# Altium PCB MB1404.PcbDoc (part 7 of 7)
Units mm, origin at the board's own origin, x right, y up, seen from the top; angles counter-clockwise.
Board outline 70 x 133.34 mm, 6 copper layers (Top Layer, Signal Layer 1, Signal Layer 2, Signal Layer 3, Signal Layer 4, Bottom Layer), stack 1.57 mm thick; 345 components, 311 nets, 1508 pads, 1746 vias.
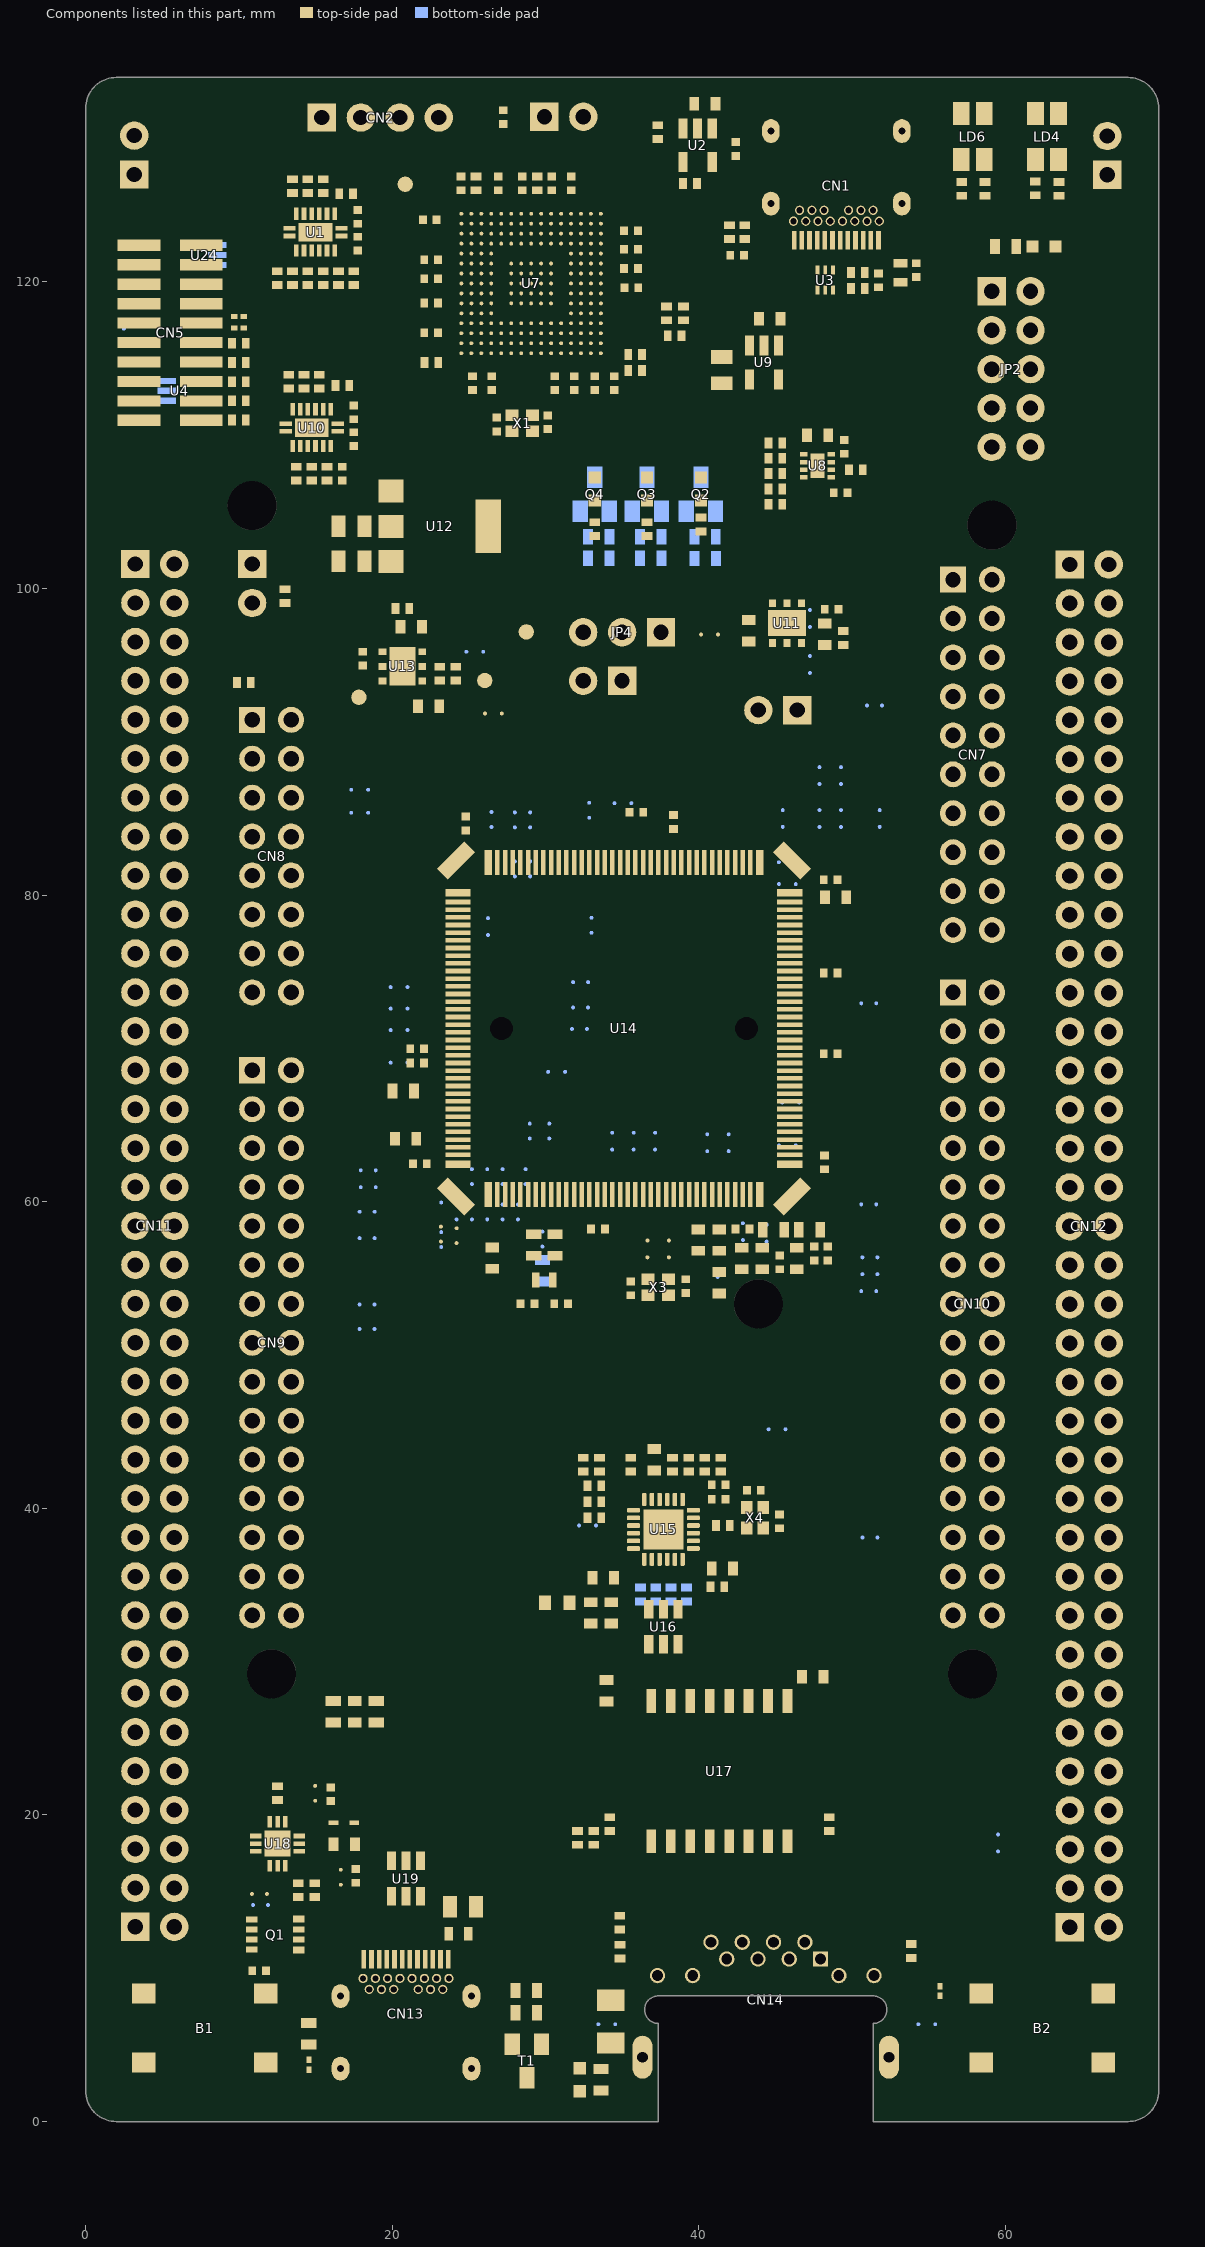
[diagram p11: the components of this part, seen from the top]

## Polygon pours and split planes (outlines as drawn)
GND on Bottom Layer "GND_L06_P160" (solid, remove dead copper, pour order 160): 22.6,80.45 15.35,87.7 15.35,98.85 15.35,100.85 20.266,105.766 20.266,108.279 20.266,133.254 68.666,133.254 69.916,132.004 69.916,1.479 68.491,0.054 56.4,0.054 56.4,20.3 33.316,20.3 33.316,35.179 30.766,37.729 30.766,39.129 31.191,39.554 32.991,39.554 33.791,40.354 33.791,43.829 33.241,44.379 29.691,44.379 29.266,44.804 29.266,52.629 29.691,53.054 29.691,71.259 22.6,78.35
5V_STLK on Bottom Layer "VDDIO1_4_L01_P-001" (solid, pour order 36): 46.1,109 48.2,109 49.1,109.9 49.1,111.7 50.7,113.3 55.2,113.3 60.4,118.5 60.4,120.8 56.2,120.8 52.6,117.2 47.4,117.2 45.8,115.6 45.8,109.3 45.8,115.6 45.8,109.3
5V_STLK on Bottom Layer "VDDIO1_4_L01_P-001" (solid, pour order 112): 41.25,132.5 57.25,132.5 60.75,129 60.75,118 60.5,117.75 56.75,117.75 55.25,119.25 55.25,125.75 54.75,126.25 48.25,126.25 47.25,127.25 42.5,127.25 41.25,128.5
GND on Bottom Layer "GND_L06_P159" (solid, remove dead copper, pour order 159): 16.922,86.778 24.966,78.734 27.213,78.734 27.213,75.396 30.612,71.996 30.613,44.212 27.563,41.163 27.563,32.488 28.163,31.888 29.313,30.738 29.313,9.663 29.863,9.113 33.672,9.113 33.672,0.413 1.588,0.413 0.413,1.588 0.413,131.987 1.988,133.563 20.737,133.563 20.788,133.512 20.788,107.795 20.312,107.32 20.313,105.345 19.171,104.204 19.172,102.204 18.846,101.879 16.546,101.879 16.096,101.429 16.096,99.729 16.922,98.904
VDD on Bottom Layer "VDDIO1_4_L01_P-001" (solid, pour order 116): 18,88.7 17.9,88.6 17.9,87.7 18,87.6 18.3,87.6 18.4,87.5 18.4,86.4 19.1,86.4 19.4,86.7 19.4,88.4 19.1,88.7
VDD on Bottom Layer "VDD_L06_P126" (solid, remove dead copper, pour order 126): 33.041,20.975 32.4,20.334 32.4,9.525 32.075,9.2 29.7,9.2 29.241,9.659 29.241,21.046 29.241,30.779 27.541,32.479 27.541,40.604 30.991,44.054 33.041,44.054 33.366,43.729 33.366,40.454 32.791,39.879 30.991,39.879 30.341,39.229 30.341,37.643 33.041,34.943
SHGND on Bottom Layer "SHGND_L06_P161" (solid, remove dead copper, pour order 161): 35.641,17.325 53.369,17.325 53.369,0 35.741,0 35.641,0.004
VDD_MCU on Signal Layer 3 "VDD_MCU_L04_P030" (solid, remove dead copper, pour order 30): 47.7,47.375 47.7,51.8 48.694,52.794 48.694,55.094 49.31,55.71 49.31,56.396 49.67,56.756 49.67,73.809 48.675,74.804 48.675,80.3 49.425,81.05 49.4,81.075 49.4,82.175 47.7,83.875 47.7,94.075 46.396,95.379 21.866,95.379 21.866,48.334 23.525,46.675 47,46.675
VDD on Signal Layer 3 "VDD_L04_P136" (solid, remove dead copper, pour order 136): 20.925,79.75 21.45,79.225 21.45,48.075 23.325,46.2 41.8,46.2 42.15,45.85 42.15,41.1 41.8,40.75 33.55,40.75 32.15,39.35 21.975,39.35 15.625,45.7 15.625,51.375 18.15,53.9 18.15,78.725 19.175,79.75
3V3 on Signal Layer 3 "3V3_L04_P143" (solid, remove dead copper, pour order 143): 13.5,20.075 18.425,20.075 19.025,19.475 19.025,17.184 25.3,10.909 25.3,9.55 28.625,6.225 28.625,3.25 29.55,2.325 34.575,2.325 35,2.75 35,15.75 32.525,18.225 32.525,22.825 30.475,24.875 30.475,38.1 29.75,38.825 21.75,38.825 15.225,45.35 15.225,51.725 17.55,54.05 17.55,78.575 19.025,80.05 20.975,80.05 21.5,80.575 21.5,95.375 22,95.875 40.425,95.875 40.425,98.775 37.275,101.925 32.375,101.925 30.275,99.825 19.325,99.825 18.8,99.3 18.8,87.325 17.8,86.325 14.525,86.325 13.225,85.025 13.225,78.814 8.45,74.039 8.45,33.275 9.275,32.45 14.95,32.45 16.025,31.375 16.025,22.85 15.6,22.5 13.5,22.5
GND on Signal Layer 3 "GND_L04_P128" (solid, remove dead copper, pour order 128): 44,95.5 41.25,95.5 40.75,96 40.75,98.75 37.5,102 32,102 30.25,100.25 19.25,100.25 18.75,100.75 18.75,107.75 19.804,108.804 38.804,108.804 41,111 41,113.75 41.25,114 41.498,114 47.257,108.25 59.5,108.25 64.091,112.841 64.091,124.654 64.091,129.929 62.816,131.204 35.391,131.204 34.091,132.504 34.091,133.054 34.191,133.154 68.691,133.154 69.966,131.879 69.966,1.654 68.416,0.104 52.666,0.104 52.541,0.229 52.541,15.175 52.5,16.025 50.25,18.275 50.25,35.9 48.85,37.3 32.925,37.3 32.4,37.825 32.4,39.075 33.75,40.425 41.975,40.425 42.5,40.95 42.5,45.825 42.975,46.3 47.1,46.3 48.7,47.9 48.7,51.45 49.442,52.192 49.442,54.567 49.85,54.975 49.85,55.825 50.65,56.625 50.65,71.725 49.1,73.275 49.1,80.11 49.875,80.885 49.875,82.25 48.025,84.1 48.025,93.75 48,94.25 46.75,95.5
3V3_STLK on Signal Layer 3 "3V3_STLK_L04_P044" (solid, remove dead copper, pour order 44): 35.045,131 37,131 37.75,130.25 37.75,123.47 40.75,120.47 40.75,111.25 38.704,109.204 19.796,109.204 16.4,112.6 16.4,115.55 16.4,124.6 14.6,126.4 14.6,131.488 15.291,132.179 33.866,132.179
5V_UCPD on Signal Layer 3 "5V_UCPD" (solid, pour order 12): 55.5,103.25 55.5,107 56,107.5 58.25,107.5 59.75,107.5 60.475,108.225 60.475,109.775 59.75,110.5 55,110.5 53,108.5 53,97.75 51,95.75 49.5,95.75 48.075,94.325 48.075,82.925 49.05,81.95 49.05,75.3 51,73.35 51,57.25 49.525,55.775 49.525,33.5 49.925,33.075 51.425,33.075 51.7,33.35 51.7,39.15 53.75,41.2 53.75,74.15 52.5,75.4 52.5,85.5 51.425,86.575 51.425,91.65 55.475,95.7 55.475,103.225
NetC91_2 on Signal Layer 3 "NETC91_2_L04_P066" (solid, remove dead copper, pour order 66): 33.941,23.129 33.091,22.279 33.091,18.278 33.969,17.4 49.241,17.4 49.241,22.479 48.591,23.129
5V_EXT on Signal Layer 3 "5V_EXT_L04_P132" (solid, remove dead copper, pour order 132): 8.575,109.7 5.85,109.7 5.6,109.45 5.6,95.881 6.581,94.9 9.825,94.9 10.625,95.7 10.625,107.65
VDD on Signal Layer 3 "VDD_L04_P134" (solid, remove dead copper, pour order 134): 14.25,131.525 13.525,132.25 10.175,132.25 9.875,131.95 9.875,128.325 5,123.45 1.7,123.45 1.175,122.925 1.175,110.575 1.55,110.2 8.575,110.2 11.15,107.625 11.15,87.35 11.7,86.8 17.6,86.8 18.475,87.675 18.475,98.75 18.475,104.65 18.475,110.275 16.25,112.5 16.25,124.5 14.25,126.5
GND on Signal Layer 3 "GND_L04_P144" (solid, remove dead copper, pour order 144): 10.325,133.05 9.5,132.225 9.5,128.35 4.85,123.7 1.525,123.7 0.775,122.95 0.2,122.95 0.2,132.025 1.375,133.2 10.3,133.2 10.325,133.175
GND on Signal Layer 3 "GND_L04_P145" (solid, remove dead copper, pour order 145): 9.1,32 8.025,33.075 8.025,73.993 12.075,78.043 12.075,79.175 11.875,79.375 0.925,79.375 0.15,78.6 0.15,9.5 0.15,1.3 1.275,0.175 34.625,0.175 34.975,0.525 34.975,1.825 34.75,2.05 29.375,2.05 28.275,3.15 28.275,6 25.1,9.175 21.325,9.175 15.65,14.85 15.65,18.345 13.4,20.482 13.4,22.775 15.4,22.775 15.75,23.125 15.75,30.975 14.725,32
5V_UCPD on Signal Layer 3 "NO_FT" (solid, pour order 140): 13.35,10.25 18.65,4.95 22.975,4.95 24.129,6.104 24.112,7.587 27.875,11.35 28.65,11.35 28.8,11.2 28.8,7.725 24.075,3 13.975,3 9.375,7.6 9.375,22.95 14.425,28 15.25,28 15.75,27.5 15.75,23.125 15.4,22.775 13.35,22.775 13.35,19.9
VBUS_STLK on Signal Layer 3 "VBUS_STLK_L04_P042" (solid, remove dead copper, pour order 42): 45,110.75 47.25,108.5 52.779,108.5 55.026,110.755 62.978,110.803 63.716,111.541 63.716,113.591 63.716,124.829 63.716,129.804 62.641,130.879 38.629,130.879 38,130.25 38,124.57 41.035,121.535 41,121.5 41,114.75
VBUSc on Signal Layer 3 "NO_FT" (solid, pour order 138): 24.925,6.775 22.9,4.75 19.225,4.75 17.925,6.05 17.925,6.475 13.575,10.825 13.575,19.9 18.447,19.9 19.025,19.322 19.025,17 24.925,11.1
5V on Signal Layer 3 "5V_L04_P104" (solid, remove dead copper, pour order 104): 1.746,79.629 0.891,80.475 0.891,109.391 1.25,109.75 5,109.75 5.316,109.434 5.316,95.454 9.916,90.854 9.916,83.354 10.466,82.804 12.341,82.804 12.556,82.589 12.556,79.819 12.366,79.629
NetC79_2 on Signal Layer 3 "NETC79_2_L04_P046" (solid, remove dead copper, pour order 46): 31.891,37.104 30.891,36.104 30.891,25.154 32.316,23.729 48.316,23.729 49.116,24.529 49.116,36.604 48.616,37.104
GND on Top Layer "GND_L01_P157" (solid, remove dead copper, pour order 157): 1.574,133.34 0.112,131.879 0.112,107.629 20.162,107.629 20.662,108.129 27.211,108.129 27.75,107.59 27.75,100.75 26.754,99.754 17.746,99.754 16.871,100.629 15.25,100.629 15.25,107.629 0.112,107.629 0.112,1.629 1.612,0.129 35.362,0.129 35.362,8.379 35.862,8.379 53.362,8.379 53.365,0 68.233,0 69.862,1.629 69.862,107.379 60.371,107.379 59.862,107.888 59.862,108.879 59.862,113.163 59.862,122.862 60.25,123.25 64,123.25 64.362,122.888 64.362,119.379 64.362,107.25 69.862,107.25 69.862,131.879 68.401,133.34
5V_STLK on Top Layer "VDDIO1_4_L01_P-001" (solid, pour order 38): 40.7,129.5 40.7,131.6 41.2,132.1 42.7,132.1 42.9,131.9 42.9,130.7 42.6,130.4 42.1,130.4 41.2,129.5
VBUS_STLK on Top Layer "VDDIO1_4_L01_P-001" (solid, pour order 114): 48.5,108.2 49.2,108.2 49.3,108.3 51.1,108.3 51.4,108.6 51.4,109.6 51.2,109.8 50.2,109.8 50,109.6 50,109.3 49.8,109.1 48.7,109.1 48.5,108.9
VBUS_STLK on Top Layer "VDDIO1_4_L01_P-001" (solid, pour order 141): 40.6,128.4 43.3,128.4 43.5,128.2 43.5,127 43.2,126.7 40.9,126.7 40.6,127
GND on Top Layer "GND_L01_P024" (solid, remove dead copper, pour order 158): 17.12,100.48 16.895,100.255 15.47,100.255 15.245,100.48 15.245,104.745 18.28,107.78 21.545,107.78 21.545,105.58 21.32,105.355 17.395,105.355 17.12,105.08
5V on Top Layer "VDDIO1_4_L01_P-001" (solid, pour order 147): 46.5,96.5 46.5,95.75 46.75,95.5 50.75,95.5 51,95.75 51,96.25 50.75,96.5
VDD on Top Layer "VDDIO1_4_L01_P-001" (solid, pour order 156): 1.25,123.5 4.25,123.5 4.75,123 4.75,122 1.5,122 1.25,122.25
5V_STLK on Top Layer "NO_FT" (solid, pour order 148): 47.1,108.2 46,108.2 46,110.3 46.2,110.5 47.1,110.5
5V_VIN on Top Layer "5V_VIN_L01_P028" (solid, remove dead copper, pour order 154): 17.55,105.15 17.275,104.875 17.275,103.35 17.55,103.075 21.425,103.075 21.75,102.75 21.75,100.475 21.95,100.275 27.1,100.275 27.425,100.6 27.425,107.425 27.05,107.8 22.1,107.8 21.75,107.45 21.75,105.45 21.45,105.15
VIN on Top Layer "VIN_L01_P026" (solid, remove dead copper, pour order 153): 17.5,102.825 17.275,102.6 17.275,100.5 17.5,100.275 21.275,100.275 21.475,100.475 21.475,102.6 21.25,102.825
5V on Top Layer "5V_L01_P150" (solid, remove dead copper, pour order 150): 64,106.25 65,107.25 65,120.725 60.75,120.725 60.75,108.75 60.25,108.25 55.75,108.25 55.5,108 55.5,106.5 55.75,106.25
VBUSc on Top Layer "NO_FT" (solid, pour order 152): 15.5,9.375 16.375,10.25 16.375,10.4 16.05,10.725 14.9,10.725 14.6,11.025 14.6,13.525 14,14.125 13.425,14.125 12.075,15.475 11.5,15.475 11.345,15.321 11.322,15.319 11.322,14.178 11.7,13.8 11.7,10.575 11.325,10.2 11.325,9.575 11.525,9.375
5V_UCPD on Top Layer "NO_FT" (solid, pour order 151): 11.575,13.812 11.237,14.15 11.237,15.312 12.25,16.325 12.25,17.1 12.175,17.175 10.85,17.175 9.25,15.575 9.25,12.15 9.875,11.525 11.5,11.525 11.575,11.6
GND on Signal Layer 2 "GND_L03_P146" (solid, remove dead copper, pour order 146): 26.666,100.8 26.766,100.9 34.4,100.9 44.6,90.7 44.6,82.003 69.494,82 69.605,81.914 69.941,81.577 69.941,12.204 69.916,12.179 27.616,12.179 27.616,14.229 27.316,14.529 15.691,14.529 13.166,12.004 1.316,12.004 0.579,11.266 0.253,11.266 0.116,11.404 0.116,104.829 0.216,104.929 7.491,104.929 8.751,103.669 10.4,103.669 10.4,101.945 12.241,100.104 25.916,100.104 26.666,100.854
GND on Signal Layer 2 "GND_L03_P098" (solid, remove dead copper, pour order 98): 21.25,108 23.25,110 26.5,110 30,113.5 38,113.5 44.75,120.25 60,120.25 60.5,119.75 60.5,113.25 61,112.75 61.25,113 69.75,113 69.75,81.75 44.5,81.75 44.25,82 44.25,90.75 35,100 25.75,100 25.75,103.5 0.091,103.5 0.091,108
GND on Signal Layer 2 "GND_L03_P096" (solid, remove dead copper, pour order 96): 2,133.34 1.986,133.354 1.55,133.354 -0.009,131.795 -0.009,113.75 16,113.75 19.25,117 34.487,117 41.566,124.079 51.579,124.079 53.25,125.75 64,125.75 68,121.75 68,114.025 66.054,112.079 69.816,112.079 69.816,132.004 68.491,133.329
5V on Signal Layer 2 "VDDIO1_4_L01_P-001" (solid, pour order 34): 49,95.5 49,98.25 52.5,101.75 52.5,106.5 54.5,108.5 57,108.5 57.5,108 57.5,106.5 57.25,106.25 55.5,106.25 55,105.75 55,100.5 51.25,96.75 51.25,95.5
5V on Signal Layer 2 "²" (solid, remove dead copper, pour order 92): 1.091,112.841 2,113.75 16.25,113.75 19.25,116.75 34.862,116.75 41.841,123.729 51.479,123.729 53.25,125.5 63.775,125.5 67.525,121.75 67.525,112.775 63.25,108.5 60.965,108.5 60.527,109.009 60.527,119.998 59.971,120.554 44.791,120.554 37.987,113.75 30.75,113.75 27.25,110.25 23.5,110.25 21.5,108.25 1.091,108.25
5V_VIN on Signal Layer 2 "5V_VIN_L03_P082" (solid, remove dead copper, pour order 82): 20.25,107 21.104,107.854 25.641,107.854 27,106.495 27,101.613 25.666,100.279 21.75,100.279 21.75,102.25 20.25,103.75
5V_UCPD on Signal Layer 2 "5V_UCPD" (solid, pour order 60): 51.575,34.425 51.75,34.25 51.75,32.75 51.611,32.6 31.15,32.6 28.45,35.3 18.925,35.3 15.125,31.5 15.125,30.9 15.625,30.4 15.625,26.9 15.225,26.5 14.25,26.5 13.775,26.975 13.775,33.025 17.775,37.025 30.425,37.025 33.025,34.425
GND on Signal Layer 2 "GND_L03_P155" (solid, remove dead copper, pour order 155): 0.203,10.016 0.203,11.528 3.7,15.025 27.2,15.025 29.646,12.579 34.091,12.579 34.416,12.904 34.416,13.054 35.291,13.929 69.891,13.929 69.941,13.879 69.941,1.204 68.816,0.079 1.216,0.079 0.216,1.079 0.216,10.004
VIN on Signal Layer 2 "VIN_L03_P094" (solid, remove dead copper, pour order 94): 12.441,104.079 12.016,104.079 11.191,103.254 11.191,101.679 12.566,100.304 21.5,100.304 21.5,102.25 19.676,104.074 17.341,104.074
GND on Signal Layer 4 "GND_L05_P050" (solid, remove dead copper, pour order 50): 35.369,0.079 35.369,11.606 37.766,14.004 49.991,14.004 53.541,10.454 53.541,0.054 53.591,0.079 68.541,0.079 69.866,1.404 69.866,131.829 68.466,133.229 1.791,133.254 1.516,133.254 0.041,131.779 0.041,1.629 1.591,0.079
GND on Signal Layer 1 "GND_L02_P020" (solid, remove dead copper, pour order 20): 35.266,0 35.266,11.429 37.241,13.404 51.516,13.404 53.666,11.254 53.666,8.429 53.491,8.254 53.491,0 69.037,0 69.416,0.379 70,0.963 70,132.345 69.005,133.34 68,133.34 -0.034,133.379 -0.034,0.929 0.895,0

## Keep-outs
Keep-Out Layer:
  lines w0.127: -0.004,1.999 ccw(c1.996,1.999) 1.996,-0.001

## Other copper
Top Layer:
  pour cut-out: 24.316,126.629 23.271,126.629 21.721,125.079 21.721,122.206 21.536,122.021 21.536,113.804 22.001,113.339 26.226,113.339 26.891,114.004 26.891,115.779 27.446,116.334 28.79,116.334 29.716,115.408 29.716,113.904 30.416,113.204 35.791,113.204 36.291,113.704 36.291,121.204 36.116,121.379 31.791,121.379 31.791,122.379 32.49,123.078 32.49,126.627
  pour cut-out: 35.366,-0.121 35.366,12.879 35.866,13.379 52.866,13.379 53.366,12.879 53.366,-0.121
  pour cut-out: 29.6,20.55 36.366,20.55 36.366,0 29.6,0
  pour cut-out: 35.366,17.35 53.366,17.35 53.366,-0.121 35.366,-0.121
  text "1" at 5.334,129.882 h2
Signal Layer 1:
  pour cut-out: 35.366,17.35 53.366,17.35 53.366,-0.121 35.366,-0.121
  pour cut-out: 29.6,20.55 36.366,20.55 36.366,0 29.6,0
  text "2" at 6.584,129.882 h2
Signal Layer 2:
  pour cut-out: 35.366,-0.121 35.366,12.879 35.866,13.379 52.866,13.379 53.366,12.879 53.366,-0.121
  pour cut-out: 30.125,21.275 36.366,21.275 36.366,0 30.125,0
  pour cut-out: 35.366,17.35 53.366,17.35 53.366,-0.121 35.366,-0.121
  text "3" at 8.084,129.882 h2
Signal Layer 3:
  pour cut-out: 35.366,-0.121 35.366,12.879 35.866,13.379 52.866,13.379 53.366,12.879 53.366,-0.121
  pour cut-out: 35.325,17.421 53.325,17.421 53.325,-0.05 35.325,-0.05
  text "4" at 10.334,129.882 h2
Signal Layer 4:
  pour cut-out: 32.3,8.2 36.366,8.2 36.366,0 32.3,0
  pour cut-out: 35.366,17.35 53.366,17.35 53.366,-0.121 35.366,-0.121
  pour cut-out: 52.225,8.2 56.291,8.2 56.291,0 52.225,0
  text "5" at 11.834,129.882 h2
Bottom Layer:
  pour cut-out: 32.575,17.366 32.575,20.3 56.325,20.3 56.325,17.366
  pour cut-out: 32.541,19.7 35.475,19.7 35.475,0 32.541,0
  pour cut-out: 56.459,0 53.525,0 53.525,20.225 56.459,20.225
  text "6" at 13.334,129.882 h2
Multi-Layer:
  pour cut-out: 5.1,131.5 5.1,129.5 13.6,129.5 13.6,131.5
  pour cut-out: 36.441,28.359 36.441,17.359 46.266,17.359 46.266,28.359

## Silkscreen, mask and mechanical layers (free items; w line width, h text height)
Top Overlay:
  lines w0.12: 9.101,40.654 9.661,40.654 ; 9.101,55.879 9.661,55.879 ; 9.101,58.379 9.661,58.379 ; 9.101,60.904 9.661,60.904 ; 9.101,63.454 9.661,63.454 ; 9.101,66.004 9.661,66.004 ; 9.101,68.554 9.661,68.554 ; 9.101,73.604 9.661,73.604 ; 9.101,78.754 9.661,78.754 ; 9.101,81.279 9.661,81.279 ; 9.101,83.779 9.661,83.779 ; 9.101,86.279 9.661,86.279 ; 9.101,88.879 9.661,88.879 ; 9.101,91.404 9.661,91.404 ; 9.106,76.179 9.666,76.179 ; 38.1,50.75 40.175,50.75 40.175,56.175 ; 39.375,56.175 40.175,56.175 ; 41.9,56.175 40.175,56.175 ; 42.2,55.1 45.725,55.1 ; 42.275,51.4 45.725,51.4 45.725,54.225 44.85,55.1 ; 45.725,58.925 45.725,58.95 46.125,59.35 46.275,59.35 ; 60.331,55.579 60.891,55.579 ; 60.331,58.454 60.891,58.454 ; 60.331,61.004 60.891,61.004 ; 60.331,63.579 60.891,63.579 ; 60.331,66.279 60.891,66.279 ; 60.331,68.904 60.891,68.904 ; 60.331,71.429 60.891,71.429 ; 60.331,74.104 60.891,74.104 ; 60.331,77.279 60.891,77.279 ; 60.331,79.954 60.891,79.954 ; 60.331,82.529 60.891,82.529 ; 60.331,85.129 60.891,85.129 ; 60.331,87.904 60.891,87.904 ; 60.331,90.804 60.891,90.804 ; 60.331,95.329 60.891,95.329 ; 60.331,98.279 60.891,98.279 ; 60.331,101.054 60.891,101.054 ; 60.341,92.754 60.901,92.754
  lines w0.127: 1.976,100.888 1.976,102.869 ; 7.056,100.888 7.056,102.869 ; 7.945,44.22 7.945,43.077 9.037,43.077 ; 7.945,46.913 7.945,48.36 9.037,48.36 ; 8.631,35.457 9.037,35.457 ; 8.631,37.997 9.037,37.997 ; 15.133,35.559 16.225,35.559 16.225,37.057 ; 15.133,43.382 16.225,43.382 16.225,41.655 ; 15.133,45.719 16.225,45.719 16.225,47.141 ; 15.133,53.339 16.225,53.339 16.225,51.84 ; 15.133,58.419 16.022,58.419 16.022,60.527 ; 15.133,68.579 16.073,68.579 16.073,66.674 ; 15.133,73.659 16.225,73.659 16.225,74.008 ; 15.133,76.199 16.225,76.199 16.225,75.818 ; 15.133,78.739 16.203,78.739 16.203,82.396 ; 15.133,91.439 16.203,91.439 16.203,87.934 ; 53.386,52.755 53.386,58.482 54.735,58.482 ; 53.556,48.589 53.556,43.179 54.735,43.179 ; 53.592,94.004 53.592,92.963 54.684,92.963 ; 53.592,98.424 53.592,100.583 54.684,100.583 ; 53.665,33.324 53.665,32.917 54.757,32.917 ; 53.665,37.667 53.665,38.2 54.757,38.2 ; 53.767,78.51 53.767,77.723 54.859,77.723 ; 53.767,83.184 53.767,85.343 54.859,85.343 ; 54.275,84.073 54.275,82.803 54.859,82.803 ; 54.275,89.864 54.275,90.423 54.859,90.423 ; 54.875,66.14 53.6,66.14 53.6,60.9 54.985,60.9 ; 60.955,32.917 62.047,32.917 62.047,41.147 ; 60.955,53.44 62.047,53.44 62.047,45.287 ; 62.936,100.862 62.936,102.843 ; 68.016,100.862 68.016,102.843 ; 0.45,113.5 1.85,113.5 1.85,118.9 0.45,118.9 0.45,113.5 ; 11.6,0.325 11.6,3 15.9,3 15.9,0.325 11.6,0.325 ; 15.55,127.7 15.55,129.1 23.2,129.1 23.2,127.7 15.55,127.7 ; 17.35,28.225 17.35,53.225 26.35,53.225 26.35,28.225 17.35,28.225 ; 31.821,100.379 31.821,108.634 42.85,108.634 42.85,100.379 31.821,100.379 ; 34.05,130.6 34.05,132.6 37,132.6 37,130.6 34.05,130.6 ; 53.7,0.55 55.1,0.55 55.1,8.2 53.7,8.2 53.7,0.55 ; 54.2,124.8 54.2,132.9 55.6,132.9 55.6,124.8 54.2,124.8 ; 55.375,105.875 69.56,105.875 69.56,123.45 55.375,123.45 55.375,105.875
  text "STLK / RST" at 34.2,130.315 h1.2
  text "RESERVED" at 15.8,127.9 h1.5
  text "PWR" at 60.5,127.9 h1.3 r90
  text "COM" at 65.2,127.9 h1.3 r90
  text "GND" at 69.325,126.95 h1.5 r90
  text "GND" at 1.6,126.725 h1.5 r90
  text "USB STLINK" at 55.4,125 h1.5 r90
  text "STLK" at 63.825,118.975 h1.5
  text "VIN 5V" at 63.825,116.475 h1.5
  text "TRACE" at 1.65,114 h1.5 r90
  text "E5V" at 63.975,113.75 h1.5
  text "CHGR" at 63.875,111.375 h1.5
  text "USB" at 63.825,108.775 h1.5
  text "USER" at 63.8,107.55 h1.5
  text "PWR SEL" at 57.3,106.525 h1.5
  text "SCL" at 60.916,101.154 h1.2 r45
  text "User LEDs" at 34.039,101.13 h1.5
  text "D15" at 60.991,100.029 h1.2 r45
  text "3V3" at 27.525,99.55 h1.5
  text "1V8-VDD-3V3" at 30.831,98.704 h1.5
  text "SDA" at 60.916,98.379 h1.2 r45
  text "EXT DBG" at 9.125,97.525 h1.5 r90
  text "D14" at 60.991,97.229 h1.2 r45
  text "+" at 62.291,95.379 h1.2 r45
  text "VREF" at 60.966,95.204 h1.2 r45
  text "I2S_A" at 54.017,94.409 h1.5 r90
  text "GND" at 60.891,92.779 h1.2 r45
  text "NC" at 7.741,92.154 h1.2 r315
  text "IDD" at 32.5,91.425 h1.5
  text "SCK" at 60.916,90.904 h1.2 r45
  text "D13" at 61.016,89.779 h1.2 r45
  text "IO" at 8.216,89.754 h1.2 r315
  text "RMII TXD1" at 41.862,89.533 h1.5
  text "REF" at 7.491,89.004 h1.2 r315
  text "MISO" at 60.966,88.079 h1.2 r45
  text "NRST" at 7.116,86.904 h1.2 r315
  text "D12" at 61.016,86.879 h1.2 r45
  text "I2S_B" at 54.719,85.921 h1.5 r90
  text "MOSI" at 60.991,85.329 h1.2 r45
  text "D11" at 60.966,84.079 h1.2 r45
  text "3V3" at 7.716,83.904 h1.2 r315
  text "SDMMC" at 16.676,82.753 h1.5 r90
  text "CS" at 60.891,82.629 h1.2 r45
  text "D10" at 60.966,81.479 h1.2 r45
  text "5V" at 7.841,81.354 h1.2 r315
  text "PWM" at 60.991,80.104 h1.2 r45
  text "GND" at 7.441,79.054 h1.2 r315
  text "D9" at 61.016,78.904 h1.2 r45
  text "SPI_B" at 54.151,78.837 h1.5 r90
  text "I/O" at 61.016,77.429 h1.2 r45
  text "GND" at 7.416,76.479 h1.2 r315
  text "D8" at 61.016,76.229 h1.2 r45
  text "IO" at 16.64,74.292 h1.5 r90
  text "I/O" at 61.041,74.204 h1.2 r45
  text "VIN" at 7.466,73.879 h1.2 r315
  text "AVDD" at 51.445,73.179 h1.5
  text "D7" at 61.041,72.954 h1.2 r45
  text "PWM" at 61.016,71.554 h1.2 r45
  text "AGND" at 51.342,70.602 h1.5
  text "D6" at 61.041,70.404 h1.2 r45
  text "A0" at 7.758,69.168 h1.2 r315
  text "PWM" at 61.041,69.029 h1.2 r45
  text "GND" at 52.309,68.223 h1.5
  text "D5" at 61.041,67.854 h1.2 r45
  text "A1" at 7.841,66.679 h1.2 r315
  text "I/O" at 61.016,66.429 h1.2 r45
  text "D4" at 61.041,65.204 h1.2 r45
  text "A2" at 7.866,64.129 h1.2 r315
  text "PWM" at 61.016,63.729 h1.2 r45
  text "D3" at 61.016,62.504 h1.2 r45
  text "A3" at 7.766,61.479 h1.2 r315
  text "USART" at 16.249,61.35 h1.5 r90
  text "ADC_IN" at 53,61.125 h1.5 r90
  text "I/O" at 61.016,61.129 h1.2 r45
  text "D2" at 61.041,59.954 h1.2 r45
  text "A4" at 7.816,59.004 h1.2 r315
  text "TX" at 60.992,58.483 h1.2 r45
  text "D1" at 60.991,57.254 h1.2 r45
  text "A5" at 7.766,56.429 h1.2 r315
  text "RX" at 61.016,55.729 h1.2 r45
  text "GND" at 14.885,55.395 h1.5
  text "D0" at 61.041,54.554 h1.2 r45
  text "IO" at 8.043,52.894 h1.5
  text "IO" at 8.05,50.4 h1.5
  text "QSPI" at 53.866,49.124 h1.5 r90
  text "SAI_A" at 16.036,47.769 h1.5 r90
  text "I2C" at 8.534,44.676 h1.5 r90
  text "TIMER" at 62.301,41.166 h1.5 r90
  text "GND" at 7.366,41.129 h1.2 r315
  text "GND" at 52.309,40.207 h1.5
  text "SAI_B" at 16,37.601 h1.5 r90
  text "CAN" at 8.356,35.361 h1.5 r90
  text "TIMER" at 54.094,33.405 h1.5 r90
  text "IO" at 14.929,32.577 h1.5
  text "IO" at 8.202,32.51 h1.5
  text "L" at 22.25,19.725 h15
  text "J" at 51.175,19.45 h15
  text "MB1404C" at 51.85,18.252 h2
  text "GND" at 3.225,10.45 h1.5
  text "GND" at 64.25,10.45 h1.5
  text "USB" at 11.975,1.8 h1.5
  text "USER" at 5.9,1.7 h1.5
  text "RESET" at 60.625,1.675 h1.5
  text "ETHERNET" at 54.9,0.8 h1.5 r90
  text "USER" at 11.975,0.625 h1.5
  text "VBUS" at 31.537,0.337 h1.5
Bottom Overlay:
  lines w0.127: 22.479,20.296 22.479,29.296 47.479,29.296 47.479,20.296 22.479,20.296
  text "GND" at 68.45,126.875 h1.5 r270
  text "GND" at 0.625,126.775 h1.5 r270
  text "UK / CA" at 26.85,117.075 h3.65
  text "G" at 40.25,117 h11
  text "F" at 50.75,117 h11.5
  text "I" at 40.5,111.5 h8
  text "C" at 34,111 h9
  text "E" at 18.909,110.716 h10.2
  text "H" at 54.5,109.5 h17.5
  text "CN12" at 67.15,103.375 h1.5
  text "CN11" at 6.265,103.098 h1.5
  text "CN7" at 57.199,102.184 h1.5
  text "PC8" at 69.75,101.975 h1.2 r45
  text "PC11" at 9.321,101.175 h1.2
  text "PC9" at 63.084,101.175 h1.2
  text "PC10" at 2.068,99.65 h1.2 r315
  text "PC6" at 69.75,99.435 h1.2 r45
  text "PD2" at 8.865,98.635 h1.2
  text "PB8" at 63.084,98.635 h1.2
  text "PC12" at 2.065,97.635 h1.2 r315
  text "PC5" at 69.75,96.895 h1.2 r45
  text "E5V" at 8.853,96.095 h1.2
  text "PB9" at 63.084,96.095 h1.2
  text "VDD" at 1.814,95.156 h1.2 r315
  text "5VST" at 69.8,94.3 h1.2 r45
  text "VREF+" at 63.082,93.564 h1.2
  text "GND" at 9.188,93.555 h1.2
  text "CN8" at 13.547,92.934 h1.5
  text "BT0" at 1.565,92.73 h1.2 r315
  text "PD8" at 69.75,91.815 h1.2 r45
  text "NC" at 8.342,91.015 h1.2
  text "GND" at 63.084,91.015 h1.2
  text "PF6" at 1.564,90.215 h1.2 r315
  text "PA12" at 69.759,89.275 h1.2 r45
  text "IOREF" at 9.872,88.475 h1.2
  text "PA5" at 63.084,88.475 h1.2
  text "PF7" at 1.554,87.7 h1.2 r315
  text "PA11" at 69.759,86.735 h1.2 r45
  text "NRST" at 9.709,85.935 h1.2
  text "PA6" at 63.084,85.935 h1.2
  text "PA13" at 2.028,84.885 h1.2 r315
  text "PB12" at 69.759,84.195 h1.2 r45
  text "3V3" at 8.733,83.395 h1.2
  text "PA7" at 63.084,83.395 h1.2
  text "PA14" at 2.017,82.345 h1.2 r315
  text "NC" at 69.759,81.655 h1.2 r45
  text "5V" at 8.24,80.855 h1.2
  text "PB6" at 63.084,80.855 h1.2
  text "PA15" at 2.032,79.78 h1.2 r315
  text "GND" at 69.75,79.115 h1.2 r45
  text "GND" at 9.188,78.315 h1.2
  text "PC7" at 63.084,78.315 h1.2
  text "GND" at 1.871,77.34 h1.2 r315
  text "PB2" at 69.759,76.575 h1.2 r45
  text "GND" at 9.188,75.775 h1.2
  text "PA9" at 63.084,75.775 h1.2
  text "CN10" at 59.578,75.041 h1.5
  text "PB7" at 1.597,74.95 h1.2 r315
  text "PB1" at 69.759,74.035 h1.2 r45
  text "VIN" at 8.614,73.235 h1.2
  text "PA8" at 63.084,73.235 h1.2
  text "PC13" at 2.07,72.16 h1.2 r315
  text "PB15" at 69.75,71.495 h1.2 r45
  text "NC" at 8.342,70.695 h1.2
  text "PB10" at 63.084,70.695 h1.2
  text "CN9" at 13.647,69.951 h1.5
  text "PC14" at 2.068,69.595 h1.2 r315
  text "PB14" at 69.759,68.955 h1.2 r45
  text "PA0" at 8.812,68.155 h1.2
  text "PB4" at 63.084,68.155 h1.2
  text "PC15" at 2.074,67.055 h1.2 r315
  text "PB13" at 69.75,66.415 h1.2 r45
  text "PA1" at 8.665,65.615 h1.2
  text "PB5" at 63.084,65.615 h1.2
  text "PH0" at 2.015,64.54 h1.2 r315
  text "AGND" at 69.75,63.875 h1.2 r45
  text "PA4" at 8.811,63.075 h1.2
  text "PB3" at 63.084,63.075 h1.2
  text "PH1" at 2.1,61.7 h1.2 r315
  text "PC4" at 69.75,61.335 h1.2 r45
  text "PB0" at 8.812,60.535 h1.2
  text "PA10" at 63.084,60.535 h1.2
  text "VBAT" at 2.219,59.26 h1.2 r315
  text "PF5" at 69.75,58.795 h1.2 r45
  text "PC1" at 8.724,57.995 h1.2
  text "PA2" at 63.084,57.995 h1.2
  text "PC2" at 1.642,57.12 h1.2 r315
  text "PF4" at 69.759,56.255 h1.2 r45
  text "PC0" at 8.871,55.455 h1.2
  text "PA3" at 63.084,55.455 h1.2
  text "PC3" at 1.648,54.605 h1.2 r315
  text "PE8" at 69.75,53.715 h1.2 r45
  text "PD3" at 8.873,52.915 h1.2
  text "GND" at 63.084,52.915 h1.2
  text "PD4" at 1.636,52.09 h1.2 r315
  text "PF10" at 69.75,51.175 h1.2 r45
  text "PG2" at 8.925,50.375 h1.2
  text "PD13" at 63.084,50.375 h1.2
  text "PD5" at 1.652,49.5 h1.2 r315
  text "PE7" at 69.759,48.635 h1.2 r45
  text "PG3" at 8.933,47.835 h1.2
  text "PD12" at 63.084,47.835 h1.2
  text "PD6" at 1.648,47.01 h1.2 r315
  text "PD14" at 69.759,46.095 h1.2 r45
  text "PE2" at 8.806,45.295 h1.2
  text "PD11" at 63.084,45.295 h1.2
  text "PD7" at 1.638,44.47 h1.2 r315
  text "PD15" at 69.75,43.555 h1.2 r45
  text "PE4" at 8.811,42.755 h1.2
  text "PE10" at 63.084,42.755 h1.2
  text "PE3" at 1.606,41.93 h1.2 r315
  text "PF14" at 69.759,41.015 h1.2 r45
  text "PE5" at 8.819,40.215 h1.2
  text "PE12" at 63.084,40.215 h1.2
  text "GND" at 1.871,39.215 h1.2 r315
  text "PE9" at 69.75,38.475 h1.2 r45
  text "PF2" at 8.746,37.675 h1.2
  text "PE14" at 63.084,37.675 h1.2
  text "PF1" at 1.449,36.925 h1.2 r315
  text "GND" at 69.75,35.935 h1.2 r45
  text "PF8" at 8.755,35.135 h1.2
  text "PE15" at 63.084,35.135 h1.2
  text "PF0" at 1.562,34.385 h1.2 r315
  text "PE11" at 69.759,33.395 h1.2 r45
  text "PF9" at 8.755,32.595 h1.2
  text "PE13" at 63.084,32.595 h1.2
  text "PD1" at 1.533,31.845 h1.2 r315
  text "PF3" at 69.75,30.855 h1.2 r45
  text "PG1" at 8.784,30.055 h1.2
  text "PF13" at 63.084,30.055 h1.2
  text "PD0" at 1.646,29.305 h1.2 r315
  text "PF15" at 69.75,28.315 h1.2 r45
  text "GND" at 9.188,27.515 h1.2
  text "PF12" at 63.084,27.515 h1.2
  text "PG0" at 1.689,26.765 h1.2 r315
  text "PF11" at 69.759,25.775 h1.2 r45
  text "PE6" at 8.814,24.975 h1.2
  text "PG14" at 63.084,24.975 h1.2
  text "NC" at 1.492,24.225 h1.2 r315
  text "PE0" at 69.75,23.235 h1.2 r45
  text "PG15" at 9.535,22.435 h1.2
  text "GND" at 63.084,22.435 h1.2
  text "PG9" at 1.691,21.685 h1.2 r315
  text "PG8" at 69.75,20.695 h1.2 r45
  text "PG10" at 9.528,19.895 h1.2
  text "PD10" at 63.084,19.895 h1.2
  text "PG12" at 2.107,18.745 h1.2 r315
  text "PG5" at 69.75,18.155 h1.2 r45
  text "MB1404C" at 39.95,17.45 h2.5
  text "PG13" at 9.53,17.355 h1.2
  text "PG7" at 63.084,17.355 h1.2
  text "NC" at 1.273,16.73 h1.2 r315
  text "PG6" at 69.75,15.615 h1.2 r45
  text "PG11" at 9.381,14.815 h1.2
  text "PG4" at 63.084,14.815 h1.2
  text "PD9" at 1.649,14.215 h1.2 r315
  text "GND" at 61.65,12.2 h1.5
  text "GND" at 10.425,12.15 h1.5
Top Solder:
  region: 13.6,131.5 5.1,131.5 5.1,129.5 13.6,129.5
Bottom Solder:
  region: 13.6,131.5 5.1,131.5 5.1,129.5 13.6,129.5
M1-Board Shape:
  lines w0.1: 51.369,6.4 ccw(c51.369,6.4) 51.369,6.4 ; 51.369,6.4 ccw(c51.369,7.3) 52.269,7.3 ; 51.369,6.4 51.369,0 68,0 ; 52.269,7.3 ccw(c51.369,7.3) 51.369,8.2 37.369,8.2 ccw(c37.369,7.3) 36.469,7.3 ccw(c37.369,7.3) 37.369,6.4 37.369,0 2,0 cw(c2,2) 0,2 0,131.34 cw(c2,131.34) 2,133.34 68,133.34 cw(c68,131.34) 70,131.34 70,2 cw(c68,2) 68,0 ; 52.269,7.3 52.269,7.3 ; 68,0 68,0
M5-Top Constraints:
  lines w0.2: 78.489,0.753 78.489,14.268 ; 78.489,4.268 167.989,4.268 ; 78.489,7.768 167.989,7.768 ; 78.489,20.565 78.489,34.08 ; 78.489,24.08 167.989,24.08 ; 78.489,27.58 167.989,27.58 ; 78.489,40.504 78.489,54.019 ; 78.489,44.019 167.989,44.019 ; 78.489,47.519 167.989,47.519 ; 78.494,0.753 167.994,0.753 ; 78.494,4.253 167.994,4.253 ; 78.494,20.565 167.994,20.565 ; 78.494,24.065 167.994,24.065 ; 78.494,40.504 167.994,40.504 ; 78.494,44.004 167.994,44.004 ; 79.239,16.018 104.239,16.018 ; 79.239,35.83 104.239,35.83 ; 79.239,55.769 104.239,55.769 ; 98.989,0.753 98.989,14.268 ; 98.989,20.565 98.989,34.08 ; 98.989,40.504 98.989,54.019 ; 109.489,0.753 109.489,14.268 ; 109.489,20.565 109.489,34.08 ; 109.489,40.504 109.489,54.019 ; 122.989,0.753 122.989,14.268 ; 122.989,20.565 122.989,34.08 ; 122.989,40.504 122.989,54.019 ; 139.989,0.753 139.989,14.268 ; 139.989,20.565 139.989,34.08 ; 139.989,40.504 139.989,54.019 ; 156.989,0.753 156.989,14.268 ; 156.989,20.565 156.989,34.08 ; 156.989,40.504 156.989,54.019 ; 167.989,0.753 167.989,14.268 ; 167.989,20.565 167.989,34.08 ; 167.989,40.504 167.989,54.019 ; 78.489,14.268 78.489,14.268 ; 78.489,14.268 78.489,19.518 167.989,19.518 167.989,14.268 ; 78.489,14.268 98.989,14.268 ; 78.489,34.08 78.489,34.08 ; 78.489,34.08 78.489,39.33 167.989,39.33 167.989,34.08 ; 78.489,34.08 98.989,34.08 ; 78.489,54.019 98.989,54.019 ; 78.489,54.019 78.489,59.269 167.989,59.269 167.989,54.019 ; 78.489,54.019 78.489,54.019 ; 98.989,14.268 109.489,14.268 ; 98.989,34.08 109.489,34.08 ; 98.989,54.019 109.489,54.019 ; 109.489,14.268 122.989,14.268 ; 109.489,34.08 122.989,34.08 ; 109.489,54.019 122.989,54.019 ; 122.989,14.268 139.989,14.268 ; 122.989,34.08 139.989,34.08 ; 122.989,54.019 139.989,54.019 ; 139.989,14.268 156.989,14.268 ; 139.989,34.08 156.989,34.08 ; 139.989,54.019 156.989,54.019 ; 156.989,14.268 167.989,14.268 ; 156.989,34.08 167.989,34.08 ; 156.989,54.019 167.989,54.019
  text "IMPEDANCE TABLE    RMII" at 79.239,56.269 h3
  text "LAYER" at 83.489,51.269 h3
  text "TRACE" at 99.739,51.269 h3
  text "SPACING" at 110.239,51.269 h3
  text "IMPEDANCE" at 123.739,51.269 h3
  text "IMPEDANCE" at 140.739,51.269 h3
  text "TOL." at 159.489,51.269 h3
  text "(mm)" at 113.564,48.794 h2.5
  text "(mm)" at 101.739,48.744 h2.5
  text "(Single ended)" at 124.239,48.519 h2.5
  text "(Differential)" at 141.989,48.519 h2.5
  text "+/- 15%" at 158.544,44.879 h3
  text "0.127" at 100.714,44.794 h3
  text "n/a" at 112.739,44.769 h3
  text "TOP/BOTTOM" at 79.719,44.754 h3
  text "50 ohm" at 127.094,44.704 h3
  text "n/a" at 146.644,44.654 h3
  text "+/- 15%" at 158.549,41.364 h3
  text "0.102" at 100.719,41.279 h3
  text "n/a" at 112.744,41.254 h3
  text "LAYER 3" at 81.664,41.219 h3
  text "50 ohm" at 127.099,41.189 h3
  text "n/a" at 146.649,41.139 h3
  text "IMPEDANCE TABLE    RD / RX / TD / TX" at 79.239,35.949 h3
  text "LAYER" at 83.489,31.33 h3
  text "TRACE" at 99.739,31.33 h3
  text "SPACING" at 110.239,31.33 h3
  text "IMPEDANCE" at 123.739,31.33 h3
  text "IMPEDANCE" at 140.739,31.33 h3
  text "TOL." at 159.489,31.33 h3
  text "(mm)" at 113.564,28.855 h2.5
  text "(mm)" at 101.739,28.805 h2.5
  text "(Single ended)" at 124.239,28.58 h2.5
  text "(Differential)" at 141.989,28.58 h2.5
  text "+/- 15%" at 158.544,24.94 h3
  text "0.130" at 100.714,24.855 h3
  text "0.251" at 112.739,24.83 h3
  text "TOP/BOTTOM" at 79.719,24.815 h3
  text "n/a" at 127.094,24.765 h3
  text "100 ohm" at 143.18,24.716 h3
  text "+/- 15%" at 158.549,21.425 h3
  text "0.104" at 100.719,21.34 h3
  text "0.277" at 112.744,21.315 h3
  text "LAYER 3" at 81.664,21.28 h3
  text "100 ohm" at 143.18,21.287 h3
  text "n/a" at 127.099,21.25 h3
  text "IMPEDANCE TABLE   USB FS, USB HS USER, USB HS STLINK" at 79.239,16.518 h3
  text "LAYER" at 83.489,11.518 h3
  text "TRACE" at 99.739,11.518 h3
  text "SPACING" at 110.239,11.518 h3
  text "IMPEDANCE" at 123.739,11.518 h3
  text "IMPEDANCE" at 140.739,11.518 h3
  text "TOL." at 159.489,11.518 h3
  text "(mm)" at 113.564,9.043 h2.5
  text "(mm)" at 101.739,8.993 h2.5
  text "(Single ended)" at 124.239,8.768 h2.5
  text "(Differential)" at 141.989,8.768 h2.5
  text "+/- 15%" at 158.544,5.128 h3
  text "0.155" at 100.714,5.043 h3
  text "0.226" at 112.739,5.018 h3
  text "TOP/BOTTOM" at 79.719,5.003 h3
  text "n/a" at 127.094,4.953 h3
  text "90 ohm" at 143.18,4.777 h3
  text "+/- 15%" at 158.549,1.613 h3
  text "0.130" at 100.719,1.528 h3
  text "0.251" at 112.744,1.503 h3
  text "LAYER 3" at 81.664,1.468 h3
  text "90 ohm" at 143.18,1.475 h3
  text "n/a" at 127.099,1.438 h3
Drill Drawing:
  drawing of 488 lines, arcs and shapes, not listed
  text "THE COMPONENTS WITH PLATED THROUGH HOLE (PTH) MAY BE WELDED (CABLED) IN \"PIN-IN-PASTE\" MODE (IF NECESSARY)" at 1.025,183.45 h3.5
  text "PCB SPECIFICATIONS :" at 2.061,176.279 h3
  text "PCB : TYPE 3" at 150.473,176.047 h3
  text "A.   MATERIAL :" at 2.061,172.279 h3
  text "FR-4" at 40.561,172.279 h3
  text "TG-170" at 57.061,172.279 h3
  text "X  TG-150" at 75.311,172.279 h3
  text "TG-140" at 91.311,172.279 h3
  text "ASPECT-RATIO, AXE Z :" at 150.473,170.547 h3
  text "B.   MATERIAL FAMILY :" at 2.061,169.279 h3
  text "N/A" at 40.561,169.279 h3
  text "C.   SOLDERMASK COLOR :" at 2.061,166.279 h3
  text "GREEN" at 40.561,166.279 h3
  text "X  WHITE" at 57.061,166.279 h3
  text "RED" at 75.311,166.279 h3
  text "BLACK" at 91.311,166.279 h3
  text "6:1 to 8:1 / LEVEL \"B\"" at 150.491,163.799 h3
  text "D.   SILKSCREEN COLOR :" at 2.061,163.279 h3
  text "WHITE" at 40.561,163.279 h3
  text "YELLOW" at 57.061,163.279 h3
  text "BLACK" at 75.311,163.279 h3
  text "X  Blue ink PANTONE 2955" at 91.311,163.279 h3
  text "E.   SURFACE FINISH :" at 2.061,160.279 h3
  text "X  ENIG" at 40.561,160.279 h3
  text "IMMERSION SILVER" at 57.061,160.279 h3
  text "IMMERSION TIN" at 91.311,160.279 h3
  text "MINIMUM PARAMETERS" at 150.518,158.198 h3
  text "HASL" at 40.561,157.279 h3
  text "HASL (PB-FREE)" at 57.061,157.279 h3
  text "GOLDEN FINGER" at 91.311,157.279 h3
  text "F.   IMPEDANCE CONTROL :" at 2.061,154.279 h3
  text "NO" at 40.561,154.279 h3
  text "X  YES  (SEE IMPEDANCE TABLE FOR DETAIL INFORMATION)" at 57.061,154.279 h3
  text "DEFAULT" at 150.518,152.698 h3
  text "G.   THROUGH VIA :" at 2.061,151.279 h3
  text "PLUG THE VIAS WHICH ARE COVERED WITH SOLDERMASK ONE OR TWO SIDE." at 40.561,151.279 h3
  text "PLUG MATERIAL :" at 40.561,148.279 h3
  text "X  SOLDERMASK" at 66.061,148.279 h3
  text "NON-CONDUCTIVE EPOXY." at 91.311,148.279 h3
  text "TRACKS : 0.120mm           / GAPS : 0.120mm" at 150.518,146.948 h3
  text "H.   STACK-UP :" at 2.061,145.279 h3
  text "SEE LAYER STACK-UP SEQUENCE FOR OVERALL THICKNESS." at 40.561,145.279 h3
  text "Layer" at 79.741,134.779 h2
  text "Name" at 88.115,134.779 h2
  text "Material" at 104.312,134.779 h2
  text "Thickness" at 118.866,134.779 h2
  text "Constant" at 130.821,134.779 h2
  text "Board Layer Stack" at 141.885,134.779 h2
  text "Top Overlay" at 88.115,130.779 h2
  text "Top Solder" at 88.115,126.779 h2
  text "Solder Resist" at 104.312,126.779 h2
  text "0,015mm" at 118.866,126.779 h2
  text "3.5" at 130.821,126.779 h2
  text "1" at 79.741,122.779 h2
  text "Top Layer" at 88.115,122.779 h2
  text "0,042mm" at 118.866,122.779 h2
  text "Dielectric 1" at 88.115,118.779 h2
  text "FR-4" at 104.312,118.779 h2
  text "0,099mm" at 118.866,118.779 h2
  text "4.2" at 130.821,118.779 h2
  text "2" at 79.739,114.779 h2
  text "Signal Layer 1" at 88.115,114.779 h2
  text "0,035mm" at 118.866,114.779 h2
  text "Dielectric 2" at 88.115,110.779 h2
  text "0,102mm" at 118.866,110.779 h2
  text "4.2" at 130.821,110.779 h2
  text "3" at 79.741,106.779 h2
  text "Signal Layer 2" at 88.115,106.779 h2
  text "0,035mm" at 118.866,106.779 h2
  text "Dielectric 3" at 88.115,102.779 h2
  text "0,946mm" at 118.866,102.779 h2
  text "4.2" at 130.821,102.779 h2
  text "4" at 79.741,98.779 h2
  text "Signal Layer 3" at 88.115,98.779 h2
  text "0,035mm" at 118.866,98.779 h2
  text "Dielectric 4" at 88.115,94.779 h2
  text "0,102mm" at 118.866,94.779 h2
  text "4.2" at 130.821,94.779 h2
  text "5" at 79.741,90.779 h2
  text "Signal Layer 4" at 88.115,90.779 h2
  text "0,035mm" at 118.866,90.779 h2
  text "Dielectric 5" at 88.115,86.779 h2
  text "0,099mm" at 118.866,86.779 h2
  text "4.2" at 130.821,86.779 h2
  text "6" at 79.741,82.779 h2
  text "Bottom Layer" at 88.115,82.779 h2
  text "0,042mm" at 118.866,82.779 h2
  text "Bottom Solder" at 88.115,78.779 h2
  text "Solder Resist" at 104.312,78.779 h2
  text "0,015mm" at 118.866,78.779 h2
  text "3.5" at 130.821,78.779 h2
  text "Bottom Overlay" at 88.115,74.779 h2
  text "Symbol" at 80.452,46.318 h2.4
  text "Count" at 89.851,46.318 h2.4
  text "Hole Size" at 100.625,46.318 h2.4
  text "Plated" at 119.896,46.318 h2.4
  text "Hole Type" at 128.147,46.318 h2.4
  text "Drill Layer Pair" at 140.158,46.318 h2.4
  text "Hole Length" at 162.939,46.318 h2.4
  text "Routed Path Length" at 181.238,46.318 h2.4
  text "1737" at 89.851,42.175 h2
  text "0,200mm (7,87mil)" at 100.625,42.175 h2
  text "PTH" at 119.896,42.175 h2
  text "Round" at 128.147,42.175 h2
  text "Top Layer - Bottom Layer" at 140.158,42.175 h2
  text "-" at 162.939,42.175 h2
  text "-" at 181.238,42.175 h2
  text "9" at 89.851,38.032 h2
  text "0,300mm (11,81mil)" at 100.625,38.032 h2
  text "PTH" at 119.896,38.032 h2
  text "Round" at 128.147,38.032 h2
  text "Top Layer - Bottom Layer" at 140.158,38.032 h2
  text "-" at 162.939,38.032 h2
  text "-" at 181.238,38.032 h2
  text "28" at 89.851,33.889 h2
  text "0,400mm (15,75mil)" at 100.625,33.889 h2
  text "PTH" at 119.896,33.889 h2
  text "Round" at 128.147,33.889 h2
  text "Top Layer - Bottom Layer" at 140.158,33.889 h2
  text "-" at 162.939,33.889 h2
  text "-" at 181.238,33.889 h2
  text "8" at 89.851,29.746 h2
  text "0,450mm (17,72mil)" at 100.625,29.746 h2
  text "PTH" at 119.896,29.746 h2
  text "Slot" at 128.147,29.746 h2
  text "Top Layer - Bottom Layer" at 140.158,29.746 h2
  text "0,850mm (33,47mil)" at 162.939,29.746 h2
  text "0,400mm (15,75mil)" at 181.238,29.746 h2
  text "12" at 89.851,25.603 h2
  text "0,700mm (27,56mil)" at 100.625,25.603 h2
  text "PTH" at 119.896,25.603 h2
  text "Round" at 128.147,25.603 h2
  text "Top Layer - Bottom Layer" at 140.158,25.603 h2
  text "-" at 162.939,25.603 h2
  text "-" at 181.238,25.603 h2
  text "2" at 89.851,21.46 h2
  text "0,700mm (27,56mil)" at 100.625,21.46 h2
  text "PTH" at 119.896,21.46 h2
  text "Slot" at 128.147,21.46 h2
  text "Top Layer - Bottom Layer" at 140.158,21.46 h2
  text "2,200mm (86,61mil)" at 162.939,21.46 h2
  text "1,500mm (59,06mil)" at 181.238,21.46 h2
  text "273" at 89.851,17.316 h2
  text "1,000mm (39,37mil)" at 100.625,17.316 h2
  text "PTH" at 119.896,17.316 h2
  text "Round" at 128.147,17.316 h2
  text "Top Layer - Bottom Layer" at 140.158,17.316 h2
  text "-" at 162.939,17.316 h2
  text "-" at 181.238,17.316 h2
  text "2" at 89.851,13.173 h2
  text "1,500mm (59,06mil)" at 100.625,13.173 h2
  text "NPTH" at 119.896,13.173 h2
  text "Round" at 128.147,13.173 h2
  text "Top Layer - Bottom Layer" at 140.158,13.173 h2
  text "-" at 162.939,13.173 h2
  text "-" at 181.238,13.173 h2
  text "J" at 79.664,12.92 h1.84
  text "5" at 89.851,9.03 h2
  text "3,200mm (125,98mil)" at 100.625,9.03 h2
  text "NPTH" at 119.896,9.03 h2
  text "Round" at 128.147,9.03 h2
  text "Top Layer - Bottom Layer" at 140.158,9.03 h2
  text "-" at 162.939,9.03 h2
  text "-" at 181.238,9.03 h2
  text "2076 Total" at 89.851,4.887 h2
  text "Slot definitions :" at 80.452,1.987 h2
  text "Routed Path Length" at 94.105,1.987 h2
  text "= Calculated from tool start centre position to tool end centre position." at 111.018,1.987 h2
  text "Hole Length" at 94.105,0.33 h2
  text "= Routed Path Length + Tool Size = Slot length as defined in the PCB layout" at 104.739,0.33 h2

## Dimensions
0,131.34 to 70,131.34 on M2-Board Dimensions
2,0 to 2,133.34 on M2-Board Dimensions

## Text inside footprints (layer, text, board x,y; h text height)
B1: Top Overlay "1" at 4.075,9.225 h1.5; M14-Top Assembly "1" at 2.77,7.895 h1.5; M14-Top Assembly "3" at 2.555,3.37 h1.5; M14-Top Assembly "2" at 12.41,7.935 h1.5; M14-Top Assembly "4" at 12.39,3.375 h1.5
B2: Top Overlay "1" at 58.175,9.075 h1.5; M14-Top Assembly "1" at 57.398,7.895 h1.5; M14-Top Assembly "3" at 57.183,3.37 h1.5; M14-Top Assembly "2" at 67.038,7.935 h1.5; M14-Top Assembly "4" at 67.018,3.375 h1.5
CN1: Top Overlay "A1" at 52.125,121.85 h1.3; M14-Top Assembly "B5" at 48.45,124.82 h0.4 r180; M14-Top Assembly "B1" at 46.45,124.07 h0.4 r180; M14-Top Assembly "GND" at 51.35,124.095 h0.4 r180; M14-Top Assembly "B12" at 52.075,124.07 h0.4 r180; M14-Top Assembly "B7" at 49.65,124.095 h0.4 r180; M14-Top Assembly "B2" at 46.85,124.795 h0.4 r180; M14-Top Assembly "B8" at 50.05,124.795 h0.4 r180; M14-Top Assembly "B3" at 47.675,124.82 h0.4 r180; M14-Top Assembly "B10" at 50.875,124.82 h0.4 r180; M14-Top Assembly "B4" at 48.05,124.095 h0.4 r180; M14-Top Assembly "GND" at 47.35,124.095 h0.4 r180; M14-Top Assembly "B6" at 48.875,124.095 h0.4 r180; M14-Top Assembly "B9" at 50.475,124.095 h0.4 r180; M14-Top Assembly "B11" at 51.625,124.795 h0.4 r180; M14-Top Assembly "A1" at 51.975,122.845 h0.5 r180; M14-Top Assembly "A12" at 46.6,122.845 h0.5 r180; M7-Top Info "PCB" at 57.475,133.995 h1 r180; M7-Top Info "EDGE" at 42.9,133.995 h1 r180
CN2: Top Overlay "1" at 13.6,130.225 h1.5; M14-Top Assembly "1" at 15.225,130.225 h1.5; M14-Top Assembly "4" at 22.65,130.275 h1.5
CN3: Bottom Overlay "1" at 2.7,125.155 h1.5 r270; M15-Bottom Assembly "1" at 2.65,126.755 h1.5 r270
CN4: Bottom Overlay "1" at 66.175,125.13 h1.5 r270; M15-Bottom Assembly "1" at 66.125,126.73 h1.5 r270
CN5: Top Overlay "1" at 1.525,122.025 h1.5; M14-Top Assembly "2" at 7.511,122.61 h1 r270; M14-Top Assembly "19" at 2.886,111.36 h1 r270; M14-Top Assembly "20" at 7.511,111.41 h1 r270; M14-Top Assembly "1" at 2.886,122.51 h1 r270
CN7: Top Overlay "1" at 54.55,101.2 h1.5; M14-Top Assembly "19" at 56.177,78.418 h1.5 r270; M14-Top Assembly "20" at 58.677,78.443 h1.5 r270; M14-Top Assembly "2" at 58.652,100.888 h1.5 r270; M14-Top Assembly "1" at 56.152,100.838 h1.5 r270
CN8: Top Overlay "1" at 11.125,93.325 h1.5 r90; M14-Top Assembly "15" at 10.461,74.299 h1.5 r270; M14-Top Assembly "16" at 12.961,74.324 h1.5 r270; M14-Top Assembly "2" at 12.961,91.749 h1.5 r270; M14-Top Assembly "1" at 10.461,91.699 h1.5 r270
CN9: Top Overlay "1" at 9,69.7 h1.5; M14-Top Assembly "29" at 10.423,33.735 h1.5 r270; M14-Top Assembly "30" at 12.923,33.76 h1.5 r270; M14-Top Assembly "2" at 12.935,68.863 h1.5 r270; M14-Top Assembly "1" at 10.435,68.813 h1.5 r270
CN10: Top Overlay "1" at 54.6,74.55 h1.5; M14-Top Assembly "33" at 56.148,33.72 h1.5 r270; M14-Top Assembly "34" at 58.648,33.745 h1.5 r270; M14-Top Assembly "2" at 58.66,73.988 h1.5 r270; M14-Top Assembly "1" at 56.16,73.938 h1.5 r270
CN11: Top Overlay "1" at 3.725,103.1 h1.5 r90; Top Overlay "2" at 6.35,103.075 h1.5 r90; M14-Top Assembly "1" at 2.766,101.814 h1.5 r270; M14-Top Assembly "2" at 5.366,101.914 h1.5 r270; M14-Top Assembly "70" at 5.341,15.909 h1.5 r270; M14-Top Assembly "69" at 2.791,15.934 h1.5 r270
CN12: Top Overlay "1" at 64.525,103 h1.5 r90; Top Overlay "2" at 67.125,103.025 h1.5 r90; M14-Top Assembly "1" at 63.726,101.789 h1.5 r270; M14-Top Assembly "2" at 66.326,101.889 h1.5 r270; M14-Top Assembly "70" at 66.301,15.884 h1.5 r270; M14-Top Assembly "69" at 63.751,15.909 h1.5 r270
CN13: Top Overlay "A1" at 16.575,10.51 h1.3; M14-Top Assembly "B8" at 20.9,0.005 h0.4; M14-Top Assembly "B5" at 20.9,0.005 h0.4; M14-Top Assembly "B11" at 20.9,0.005 h0.4; M14-Top Assembly "B12" at 20.9,0.005 h0.4; M14-Top Assembly "B7" at 20.9,0.005 h0.4; M14-Top Assembly "B2" at 20.9,0.005 h0.4; M14-Top Assembly "B10" at 20.9,0.005 h0.4; M14-Top Assembly "B3" at 20.9,0.005 h0.4; M14-Top Assembly "B1" at 20.9,0.005 h0.4; M14-Top Assembly "B9" at 20.9,0.005 h0.4; M14-Top Assembly "B6" at 20.9,0.005 h0.4; M14-Top Assembly "GND" at 20.9,0.005 h0.4; M14-Top Assembly "GND" at 20.9,0.005 h0.4; M14-Top Assembly "B4" at 20.9,0.005 h0.4; M14-Top Assembly "A1" at 17.9,10.455 h0.5; M14-Top Assembly "A12" at 23.275,10.455 h0.5; M7-Top Info "PCB" at 12.4,-0.695 h1; M7-Top Info "EDGE" at 26.975,-0.695 h1
CN14: Top Overlay "1" at 47.714,11.575 h1.5; Top Overlay "G" at 38.039,10.25 h1.5; Top Overlay "Y" at 49.839,10.275 h1.5; M14-Top Assembly "YELLOW" at 48.769,8.35 h0.8; M14-Top Assembly "GREEN" at 37.169,8.35 h0.8; M14-Top Assembly "1" at 47.769,10.15 h1.5; M14-Top Assembly "2" at 46.594,11 h1.5; M14-Top Assembly "8" at 40.469,11 h1.5; M14-Top Assembly "7" at 41.519,10.125 h1.5; M7-Top Info "BOARD OUTLINE /  / CUT OUT" at 38.869,2.1 h1.52; M7-Top Info "PCB" at 34.769,-1.2 h1.5; M7-Top Info "EDGE" at 51.369,-1.2 h1.5; Keep-Out Layer "BOARD OUTLINE /  / CUT OUT" at 38.869,2.1 h1.52
CN15: Bottom Overlay "1" at 68.95,12.175 h1.5; M15-Bottom Assembly "1" at 63.951,13.199 h1.5 r180
CN16: Bottom Overlay "1" at 1.7,12.3 h1.5; M15-Bottom Assembly "1" at 2.991,13.224 h1.5 r180
D1: M14-Top Assembly "K" at 16.175,19.325 h0.45 r180
JP1: Top Overlay "1" at 11.4,103.075 h1.5 r90; M14-Top Assembly "1" at 10.341,101.854 h1.5 r270
JP2: Top Overlay "1" at 59.5,120.975 h1.5 r90; Top Overlay "2" at 62.15,120.925 h1.5 r90; M14-Top Assembly "9" at 58.646,109.494 h1.5 r270; M14-Top Assembly "10" at 61.171,109.884 h1.5 r270; M14-Top Assembly "2" at 61.146,119.759 h1.5 r270; M14-Top Assembly "1" at 58.646,119.659 h1.5 r270
JP3: Top Overlay "1" at 28,130.4 h1.5; M14-Top Assembly "1" at 29.675,130.25 h1.5
JP4: Top Overlay "1" at 39.04,96.65 h1.5; M14-Top Assembly "1" at 37.726,97.654 h1.5 r180
JP5: Top Overlay "1" at 36.51,93.425 h1.5; M14-Top Assembly "1" at 35.251,94.504 h1.5 r180
JP6: Top Overlay "1" at 47.975,91.6 h1.5; M14-Top Assembly "1" at 46.681,92.599 h1.5 r180
LD1: M14-Top Assembly "K" at 40.391,107.397 h0.75 r90
LD2: M14-Top Assembly "K" at 36.866,107.397 h0.75 r90
LD3: M14-Top Assembly "K" at 33.458,107.397 h0.75 r90